# KiCad board panel.kicad_pcb
title: CIS; date: 2023-05-04; rev: 2.2.0
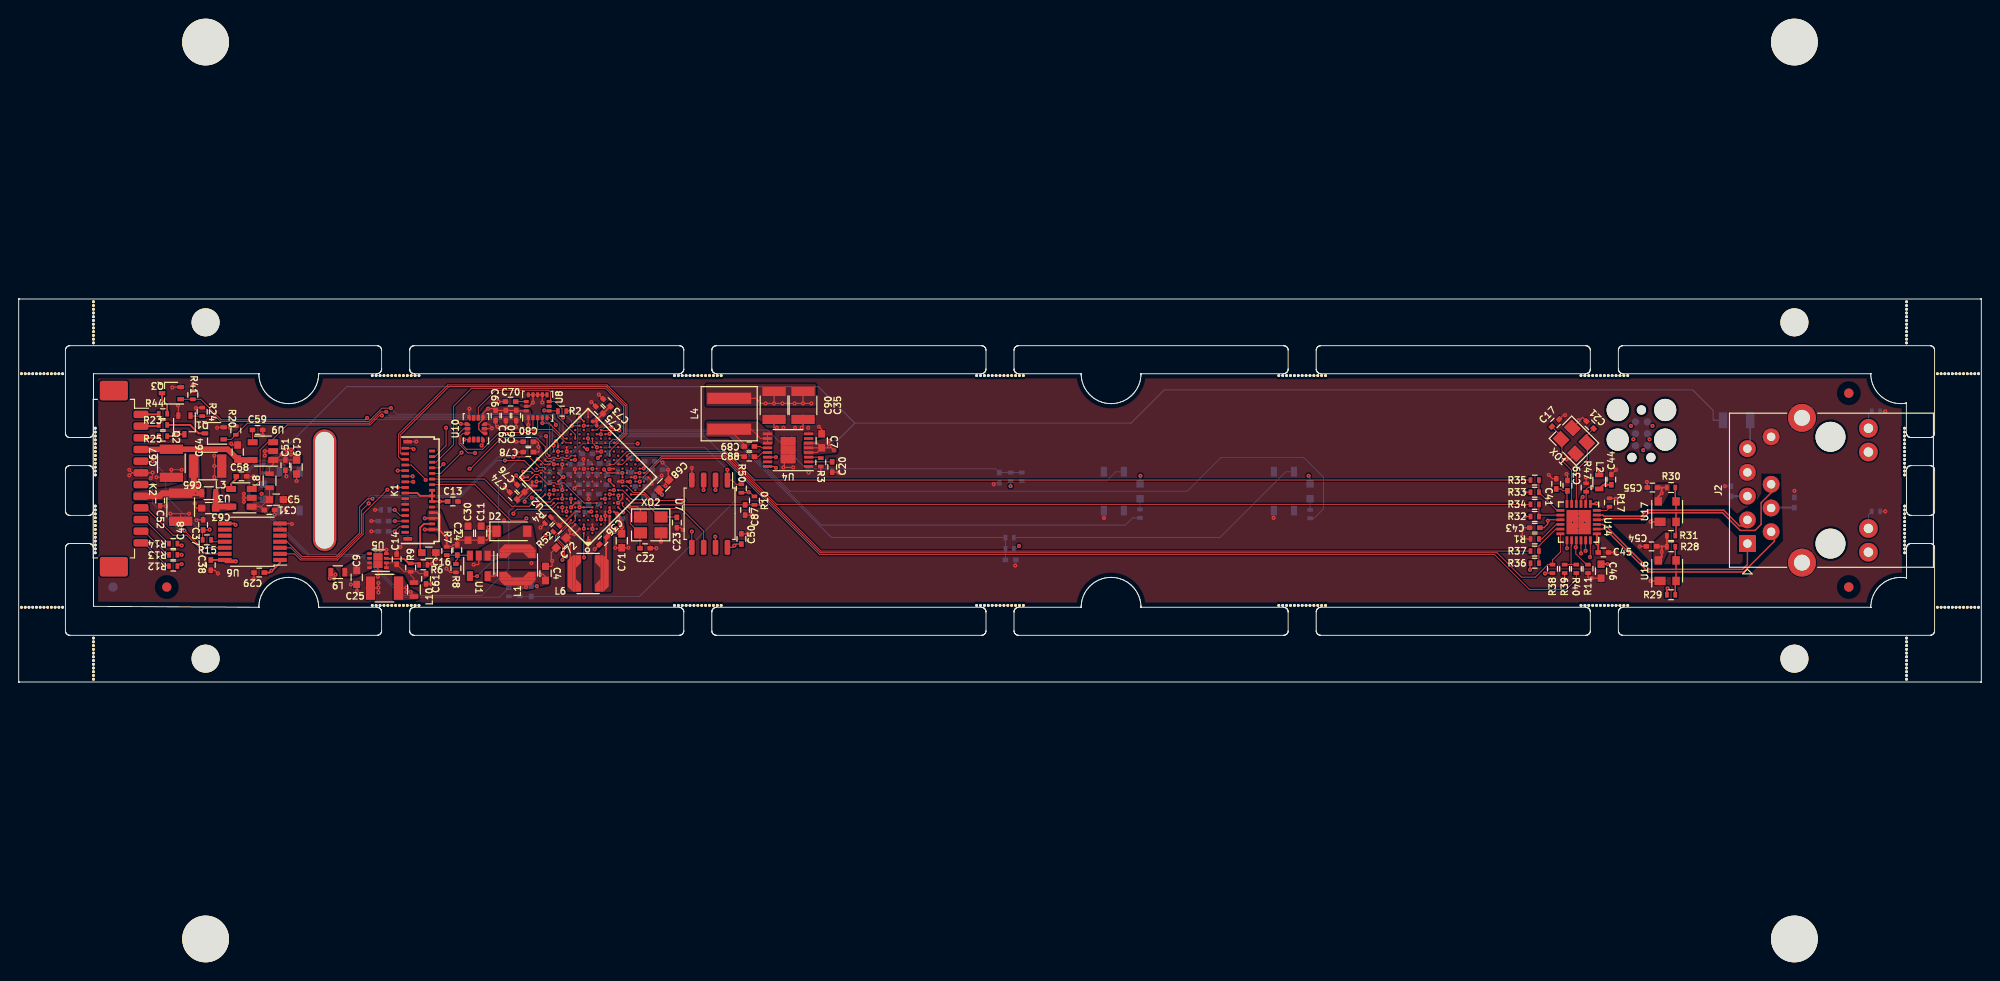
[diagram p0: board, top side]
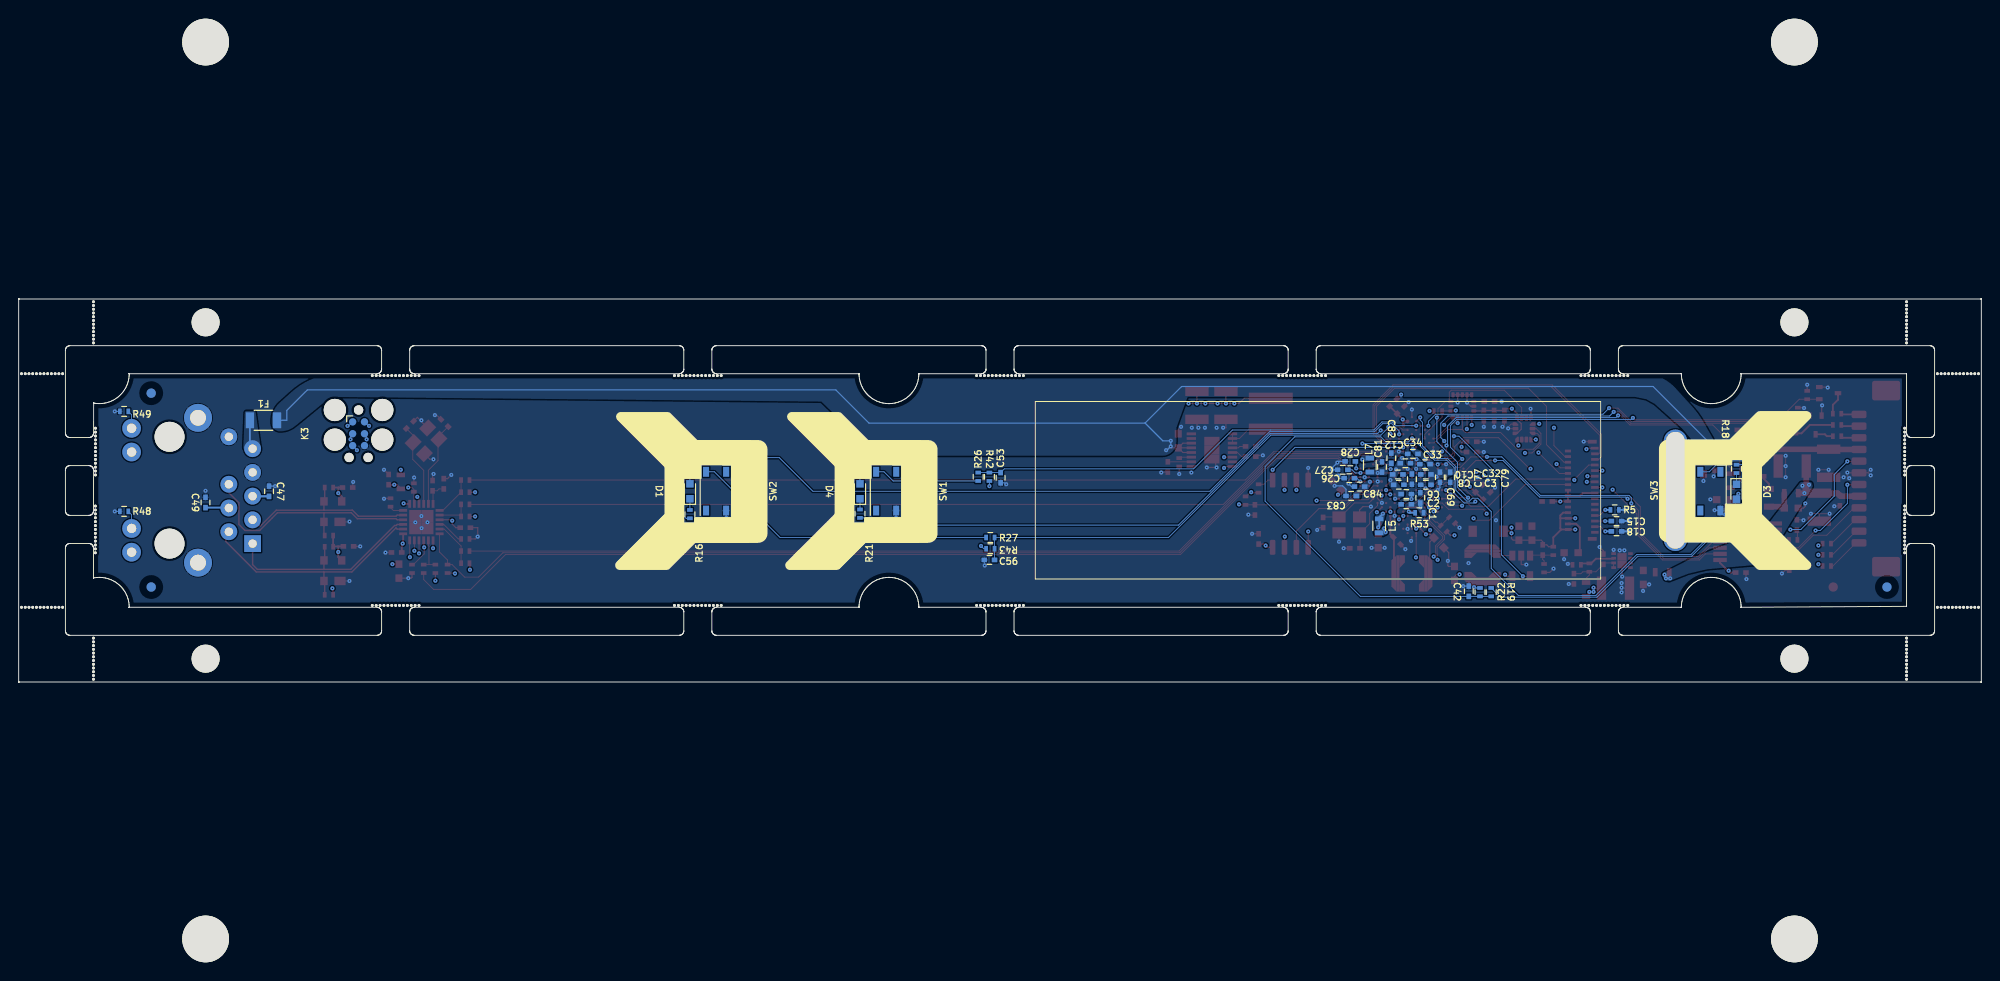
[diagram p1: board, bottom side, seen from below]

Outline 210.03 x 41 mm; copper layers: Top, GND.Cu (plane), POWER.cu (plane), In1.Cu, In2.Cu, Bottom. Coordinates in mm from the lower left corner of the outline.
Stack: Top 0.035mm / dielectric 0.154mm FR4 er 4.5 / GND.Cu 0.035mm / dielectric 0.154mm FR4 er 4.5 / POWER.cu 0.035mm / dielectric 0.154mm FR4 er 4.5 / In1.Cu 0.035mm / dielectric 0.154mm FR4 er 4.5 / In2.Cu 0.035mm / dielectric 0.154mm FR4 er 4.5 / Bottom 0.035mm

## Placement (name value [footprint] x y rotation side)
C1  C_0002  [C_0402]  60.04 19.72 90 bottom
C2  C_0002  [C_0402]  61.54 19.02 0 bottom
C3  C_0002  [C_0402]  59.44 21.12 0 bottom
C4  C_0003  [C_0603]  56.38 11.63 270 top
C5  C_0003  [C_0603]  27.57 19.52 0 top
C6  C_0002  [C_0402]  61.54 20.12 180 bottom
C7  C_0036  [C_0603]  85.94 25.82 270 top
C8  C_0002  [C_0402]  62.34 21.12 180 bottom
C9  C_0003  [C_0603]  36.17 11.2 90 top
C10  C_0002  [C_0402]  62.44 22.22 180 bottom
C11  C_0036  [C_0603]  49.49 15.93 90 top
C12  C_0002  [C_0402]  61.64 23.42 180 bottom
C13  C_0044  [C_0402]  46.46 19.33 0 top
C14  C_0002  [C_0402]  40.45 13.15 90 top
C15  C_0044  [C_0402]  39.04 17.23 180 bottom
C16  C_0036  [C_0603]  43.9 13.85 0 top
C17  C_0043  [C_0402]  164.46 27.73 45 top
C18  C_0044  [C_0402]  39.04 16.13 180 bottom
C19  C_0003  [C_0603]  29.74 23.02 270 top
C20  C_0001  [C_0402]  87.06 23.02 90 top
C21  C_0043  [C_0402]  168.16 27.53 135 top
C22  C_0043  [C_0402]  67.04 14.32 0 top
C23  C_0043  [C_0402]  70.44 17.07 90 top
C24  C_0014  [C_0402]  46.94 14.13 270 top
C25  C_0040  [C_1210]  39.15 10.05 0 top
C26  C_0028  [C_0402]  67.64 21.82 180 bottom
C27  C_0028  [C_0402]  68.34 22.72 180 bottom
C28  C_0028  [C_0402]  67.54 23.62 180 bottom
C29  C_0002  [C_0402]  25.74 11.72 180 top
C30  C_0036  [C_0603]  48.09 15.93 90 top
C31  C_0044  [C_0402]  26.84 18.42 180 top
C32  C_0002  [C_0402]  59.44 22.22 0 bottom
C33  C_0002  [C_0402]  59.54 23.32 0 bottom
C34  C_0002  [C_0402]  60.84 24.42 0 bottom
C35  C_0040  [C_1210]  83.94 29.62 90 top
C36  C_0080  [C_0402]  62.54 15.12 225 top
C37  C_0001  [C_0402]  19.74 16.82 270 top
C38  C_0002  [C_0402]  20.56 12.52 270 top
C39  C_0068  [C_0402]  165.74 21.02 90 top
C41  C_0044  [C_0402]  164.54 21.22 270 top
C42  C_0002  [C_0402]  54.85 9.72 90 bottom
C43  C_0002  [C_0402]  162.24 16.52 180 top
C44  C_0002  [C_0402]  170.44 21.67 90 top
C45  C_0002  [C_0402]  169.59 13.87 0 top
C46  C_0003  [C_0603]  169.34 11.87 270 top
C47  C_0002  [C_0402]  183.24 20.42 90 bottom
C48  C_0040  [C_1210]  17.34 18.72 90 top
C49  C_0002  [C_0402]  190.04 19.22 90 bottom
C50  C_0002  [C_0402]  77.34 15.32 90 top
C51  C_0044  [C_0402]  28.54 23.22 90 top
C52  C_0002  [C_0402]  15.14 19.42 270 top
C53  C_0002  [C_0402]  104.95 21.87 270 bottom
C54  C_0002  [C_0402]  174.73 14.52 180 top
C55  C_0002  [C_0402]  174.83 20.82 180 top
C56  C_0002  [C_0402]  106.15 13.07 0 bottom
C58  C_0001  [C_0402]  23.84 22.02 0 top
C59  C_0001  [C_0402]  25.57 26.99 0 top
C60  C_0001  [C_0402]  53.24 28.52 90 top
C61  C_0001  [C_0402]  43.6 11.05 90 top
C62  C_0002  [C_0402]  52.14 28.52 270 top
C63  C_0036  [C_0603]  20.34 18.62 180 top
C64  C_0036  [C_0603]  23.44 24.62 90 top
C65  C_0040  [C_1210]  20.24 23.12 180 top
C66  C_0063  [C_0402]  51.04 28.52 270 top
C67  C_0040  [C_1210]  16.34 23.42 90 top
C68  C_0003  [C_0603]  69.05 21.1 225 top
C69  C_0044  [C_0402]  56.84 21.92 90 bottom
C70  C_0002  [C_0402]  52.64 30.02 0 top
C71  C_0003  [C_0603]  64.54 15.12 90 top
C72  C_0003  [C_0603]  58.05 14.9 45 top
C73  C_0063  [C_0402]  62.94 29.92 135 top
C74  C_0063  [C_0402]  52.94 19.92 135 top
C75  C_0045  [C_0402]  62.14 29.12 135 top
C76  C_0045  [C_0402]  53.74 20.72 135 top
C77  C_0063  [C_0402]  60.94 21.72 270 bottom
C78  C_0002  [C_0402]  54.54 24.62 180 top
C79  C_0002  [C_0402]  57.94 21.92 270 bottom
C80  C_0063  [C_0402]  54.54 25.72 180 top
C81  C_0044  [C_0402]  64.14 23.02 270 bottom
C82  C_0002  [C_0402]  63.14 23.96 90 bottom
C83  C_0044  [C_0402]  67.44 19.92 180 bottom
C84  C_0002  [C_0402]  66.54 20.92 0 bottom
C87  C_0002  [C_0402]  77.74 18.42 90 top
C88  C_0044  [C_0402]  78.19 24.13 0 top
C89  C_0002  [C_0402]  78.19 25.22 180 top
C90  C_0040  [C_1210]  80.84 29.62 90 top
D1  D_0001  [LED_0603-red]  138.2 20.42 90 bottom
D2  D_0021  [D_SOD-123]  52.78 16.13 0 top
D3  D_0001  [LED_0603-red]  26.2 20.37 270 bottom
D4  D_0001  [LED_0603-red]  120 20.42 90 bottom
F1  F_0002  [F_1206]  183.84 28.02 180 bottom
G1  LOGO  [RESO-NANCE_SSS_LOGO]  182.85 10.37 0 bottom
G2  LOGO  [RESO-NANCE_SSS-2_LOGO]  156.5 26.4 0 bottom
J2  RJ45_Abracon_ARJP11A-MASA-B-A-EMU2  [RJ45_Abracon_ARJP11A-MA_Horizontal]  185 14.82 90 top
K1  K_0073  [OLED256x64-2P1_HOLE_TE_3-2328724-1‎]  42.74 20.53 90 top
K2  K_0072  [Molex_PicoBlade_53261-1271_1x12-1MP_P1.25mm_Horizontal]  10.69 21.77 270 top
K3  K_0100  [Tag-Connect_TC2030-IDC-FP_2x03_P1.27mm_Vertical]  173.66 26.58 270 bottom
L1  L_0011  [L_4018-Coilcraft]  53.38 12.53 90 top
L2  L_0010  [L_0603]  169.14 21.42 270 top
L3  L_0017  [L_0603]  20.34 20.22 0 top
L4  L_0002  [L_5030-Coilcraft]  76.04 28.72 90 top
L5  L_0017  [L_0603]  64.44 16.72 270 bottom
L6  L_0018  [L_4018-Coilcraft]  60.94 11.62 0 top
L7  L_0010  [L_0603]  65.44 23.22 270 bottom
L8  L_0017  [L_0603]  26.85 21.55 90 top
L9  L_0017  [L_0603]  34.15 11.75 180 top
L10  L_0017  [L_0603]  42.3 9.9 90 top
Q1  Q_0002  [SOT_323-SC_70]  20.94 26.62 180 top
Q2  Q_0002  [SOT_323-SC_70]  17.74 27.52 270 top
Q3  Q_0002  [SOT_323-SC_70]  16.34 30.92 180 top
R1  R_0020  [R_0402]  162.24 15.32 180 top
R2  R_0064  [R_0402]  58.15 29 0 top
R3  R_0030  [R_0402]  85.84 23.52 270 top
R4  R_0020  [R_0402]  56.64 17.32 225 top
R5  R_0028  [R_0402]  39.24 18.43 0 bottom
R6  R_0121  [R_0402]  43.3 12.55 0 top
R7  R_0173  [R_0402]  45.81 14.03 270 top
R8  R_0174  [R_0402]  46.79 12.18 270 top
R9  R_0102  [R_0402]  41.95 12.25 90 top
R10  R_0020  [R_0402]  78.74 19.42 90 top
R11  R_0020  [R_0402]  167.94 12.12 90 top
R12  R_0001  [R_0402]  16.54 12.42 180 top
R13  R_0001  [R_0402]  16.54 13.62 180 top
R14  R_0001  [R_0402]  16.54 14.82 180 top
R15  R_0134  [R_0402]  20.14 15.22 0 top
R16  R_0053  [R_0402]  138.2 17.97 270 bottom
R17  R_0133  [R_0402]  170.24 19.22 270 top
R18  R_0053  [R_0402]  26.2 22.82 90 bottom
R19  R_0005  [R_0402]  52.45 9.62 90 bottom
R20  R_0064  [R_0402]  23.24 26.92 270 top
R21  R_0053  [R_0402]  120 18.02 270 bottom
R22  R_0020  [R_0402]  53.65 9.62 270 bottom
R23  R_0170  [R_0402]  15.44 27.52 0 top
R24  R_0064  [R_0402]  19.64 28.92 270 top
R25  R_0171  [R_0402]  15.44 26.32 0 top
R26  R_0005  [R_0402]  107.35 21.97 270 bottom
R27  R_0005  [R_0402]  106.05 15.47 0 bottom
R28  R_0175  [R_0402]  176.83 14.48 0 top
R29  R_0175  [R_0402]  176.83 9.34 0 top
R30  R_0175  [R_0402]  176.83 20.82 0 top
R31  R_0175  [R_0402]  176.83 15.68 0 top
R32  R_0020  [R_0402]  162.24 17.72 0 top
R33  R_0020  [R_0402]  162.24 20.32 0 top
R34  R_0175  [R_0402]  162.24 19.02 0 top
R35  R_0175  [R_0402]  162.24 21.62 0 top
R36  R_0020  [R_0402]  162.24 12.72 0 top
R37  R_0175  [R_0402]  162.24 14.02 0 top
R38  R_0118  [R_0402]  164.14 12.12 90 top
R39  R_0020  [R_0402]  165.44 12.12 90 top
R40  R_0175  [R_0402]  166.69 12.12 270 top
R41  R_0064  [R_0402]  18.64 30.72 270 top
R42  R_0020  [R_0402]  106.15 21.97 90 bottom
R43  R_0020  [R_0402]  106.05 14.27 180 bottom
R44  R_0172  [R_0402]  15.44 28.72 0 top
R47  R_0020  [R_0402]  167.74 20.82 270 top
R48  R_0053  [R_0402]  198.75 18.27 0 bottom
R49  R_0053  [R_0402]  198.75 28.97 0 bottom
R50  R_0020  [R_0402]  77.34 20.72 270 top
R52  NC  [R_0402]  57.54 16.42 45 top
R53  R_0020  [R_0402]  60.14 18.12 0 bottom
REF1  CircleWhite1mm  [REF_1mm_Top]  195.85 10.17 90 top
REF2  CircleWhite1mm  [REF_1mm_Top]  195.85 30.92 90 top
REF3  CircleWhite1mm  [REF_1mm_Top]  15.85 10.17 90 top
REF11  CircleWhite1mm  [REF_1mm]  195.85 30.92 180 bottom
REF12  CircleWhite1mm  [REF_1mm]  195.85 10.17 180 bottom
REF13  CircleWhite1mm  [REF_1mm]  10.1 10.17 180 bottom
REF**  -  [NPTH]  107.1 8.2 0 top
REF**#2  -  [NPTH]  8 0.3 0 top
REF**#3  -  [NPTH]  105.43 32.8 0 top
REF**#4  -  [NPTH]  8 39.9 0 top
REF**#5  -  [NPTH]  8.2 24.25 0 top
REF**#6  -  [NPTH]  41.17 8.2 0 top
REF**#7  -  [NPTH]  201.81 24.67 0 top
REF**#8  -  [NPTH]  135.68 8.2 0 top
REF**#9  -  [NPTH]  207.73 33 0 top
REF**#10  -  [NPTH]  73.09 8.2 0 top
REF**#11  -  [NPTH]  1.1 33 0 top
REF**#12  -  [NPTH]  201.82 15.08 0 top
REF**#13  -  [NPTH]  208.53 8 0 top
REF**#14  -  [NPTH]  38.67 8.2 0 top
REF**#15  -  [NPTH#2]  20 -27.5 0 top
REF**#16  -  [NPTH]  102.93 8.2 0 top
REF**#17  -  [NPTH]  107.51 32.8 0 top
REF**#18  -  [NPTH]  74.76 32.8 0 top
REF**#19  -  [NPTH]  201.81 25.5 0 top
REF**#20  -  [NPTH]  201.82 16.33 0 top
REF**#21  -  [NPTH]  8.2 25.08 0 top
REF**#22  -  [NPTH]  71.01 8.2 0 top
REF**#23  -  [NPTH]  72.68 32.8 0 top
REF**#24  -  [NPTH]  37.84 8.2 0 top
REF**#25  -  [NPTH]  202.03 39.1 0 top
REF**#26  -  [NPTH#2]  190.03 68.5 0 top
REF**#27  -  [NPTH]  209.33 33 0 top
REF**#28  -  [NPTH]  8.2 27.17 0 top
REF**#29  -  [NPTH]  170.94 8.2 0 top
REF**#30  -  [NPTH]  42.01 32.8 0 top
REF**#31  -  [NPTH]  168.86 32.8 0 top
REF**#32  -  [NPTH]  135.68 32.8 0 top
REF**#33  -  [NPTH]  40.34 8.2 0 top
REF**#34  -  [NPTH]  201.82 17.58 0 top
REF**#35  -  [NPTH]  4.3 33 0 top
REF**#36  -  [NPTH]  201.82 14.25 0 top
REF**#37  -  [NPTH]  202.03 4.7 0 top
REF**#38  -  [NPTH]  0.7 33 0 top
REF**#39  -  [NPTH]  102.51 32.8 0 top
REF**#40  -  [NPTH]  2.7 33 0 top
REF**#41  -  [NPTH]  136.93 8.2 0 top
REF**#42  -  [NPTH]  202.03 39.5 0 top
REF**#43  -  [NPTH]  207.33 33 0 top
REF**#44  -  [NPTH]  70.17 32.8 0 top
REF**#45  -  [NPTH]  105.01 32.8 0 top
REF**#46  -  [NPTH#2]  20 68.5 0 top
REF**#47  -  [NPTH]  105.85 8.2 0 top
REF**#48  -  [NPTH]  201.81 25.08 0 top
REF**#49  -  [NPTH]  8.2 14.67 0 top
REF**#50  -  [NPTH]  106.26 32.8 0 top
REF**#51  -  [NPTH]  42.01 8.2 0 top
REF**#52  -  [NPTH]  2.3 33 0 top
REF**#53  -  [NPTH]  137.77 8.2 0 top
REF**#54  -  [NPTH]  136.52 32.8 0 top
REF**#55  -  [NPTH]  8.2 18 0 top
REF**#56  -  [NPTH]  103.35 8.2 0 top
REF**#57  -  [NPTH]  8.2 16.75 0 top
REF**#58  -  [NPTH]  41.59 8.2 0 top
REF**#59  -  [NPTH]  3.5 33 0 top
REF**#60  -  [NPTH]  42.42 32.8 0 top
REF**#61  -  [NPTH]  8 3.9 0 top
REF**#62  -  [NPTH]  8 37.9 0 top
REF**#63  -  [NPTH]  205.73 33 0 top
REF**#64  -  [NPTH]  107.51 8.2 0 top
REF**#65  -  [NPTH]  201.81 23.42 0 top
REF**#66  -  [NPTH]  41.59 32.8 0 top
REF**#67  -  [NPTH]  135.27 8.2 0 top
REF**#68  -  [NPTH]  201.81 23.83 0 top
REF**#69  -  [NPTH]  201.82 14.67 0 top
REF**#70  -  [NPTH]  137.35 32.8 0 top
REF**#71  -  [NPTH#2]  190.03 -27.5 0 top
REF**#72  -  [NPTH]  168.86 8.2 0 top
REF**#73  -  [NPTH]  8 1.5 0 top
REF**#74  -  [NPTH]  170.11 32.8 0 top
REF**#75  -  [NPTH]  20 38.5 0 top
REF**#76  -  [NPTH]  42.42 8.2 0 top
REF**#77  -  [NPTH]  137.77 32.8 0 top
REF**#78  -  [NPTH]  206.53 33 0 top
REF**#79  -  [NPTH]  20 2.5 0 top
REF**#80  -  [NPTH]  4.3 8 0 top
REF**#81  -  [NPTH]  8.2 15.08 0 top
REF**#82  -  [NPTH]  202.03 38.7 0 top
REF**#83  -  [NPTH]  8.2 17.17 0 top
REF**#84  -  [NPTH]  205.33 33 0 top
REF**#85  -  [Fiducial]  20 2.5 0 top
REF**#86  -  [NPTH]  39.92 8.2 0 top
REF**#87  -  [NPTH]  39.92 32.8 0 top
REF**#88  -  [NPTH]  202.03 2.3 0 top
REF**#89  -  [NPTH]  8.2 23 0 top
REF**#90  -  [NPTH]  201.82 22.58 0 top
REF**#91  -  [NPTH]  3.9 8 0 top
REF**#92  -  [NPTH]  137.35 8.2 0 top
REF**#93  -  [NPTH]  8.2 23.42 0 top
REF**#94  -  [NPTH]  202.03 3.5 0 top
REF**#95  -  [NPTH]  8.2 15.92 0 top
REF**#96  -  [NPTH]  201.82 22.16 0 top
REF**#97  -  [NPTH]  202.03 1.1 0 top
REF**#98  -  [NPTH]  8 40.3 0 top
REF**#99  -  [NPTH]  209.73 33 0 top
REF**#100  -  [NPTH]  0.3 33 0 top
REF**#101  -  [NPTH]  74.34 32.8 0 top
REF**#102  -  [NPTH]  208.13 33 0 top
REF**#103  -  [NPTH]  1.1 8 0 top
REF**#104  -  [NPTH]  71.84 8.2 0 top
REF**#105  -  [NPTH]  168.44 32.8 0 top
REF**#106  -  [NPTH]  8 3.5 0 top
REF**#107  -  [NPTH]  39.09 32.8 0 top
REF**#108  -  [NPTH]  1.9 33 0 top
REF**#109  -  [NPTH]  167.61 8.2 0 top
REF**#110  -  [NPTH]  73.93 8.2 0 top
REF**#111  -  [NPTH]  74.76 8.2 0 top
REF**#112  -  [NPTH]  8 39.1 0 top
REF**#113  -  [NPTH]  8 36.7 0 top
REF**#114  -  [NPTH]  171.77 32.8 0 top
REF**#115  -  [NPTH]  8 4.7 0 top
REF**#116  -  [NPTH]  136.1 8.2 0 top
REF**#117  -  [NPTH]  208.93 33 0 top
REF**#118  -  [NPTH]  134.85 8.2 0 top
REF**#119  -  [NPTH]  169.69 32.8 0 top
REF**#120  -  [NPTH]  8 3.1 0 top
REF**#121  -  [NPTH]  2.3 8 0 top
REF**#122  -  [NPTH]  201.81 27.17 0 top
REF**#123  -  [NPTH]  201.82 18 0 top
REF**#124  -  [NPTH]  170.11 8.2 0 top
REF**#125  -  [NPTH]  202.03 39.9 0 top
REF**#126  -  [NPTH]  208.93 8 0 top
REF**#127  -  [NPTH]  3.1 8 0 top
REF**#128  -  [NPTH]  136.93 32.8 0 top
REF**#129  -  [NPTH]  72.26 8.2 0 top
REF**#130  -  [NPTH]  8 2.3 0 top
REF**#131  -  [NPTH]  139.85 8.2 0 top
REF**#132  -  [NPTH]  170.52 8.2 0 top
REF**#133  -  [NPTH]  75.18 8.2 0 top
REF**#134  -  [NPTH]  42.84 8.2 0 top
REF**#135  -  [NPTH]  73.51 32.8 0 top
REF**#136  -  [NPTH]  202.03 2.7 0 top
REF**#137  -  [NPTH]  139.85 32.8 0 top
REF**#138  -  [NPTH]  0.3 8 0 top
REF**#139  -  [NPTH]  202.03 36.7 0 top
REF**#140  -  [NPTH]  202.03 38.3 0 top
REF**#141  -  [NPTH]  102.51 8.2 0 top
REF**#142  -  [NPTH]  171.36 8.2 0 top
REF**#143  -  [NPTH]  71.84 32.8 0 top
REF**#144  -  [NPTH]  8 2.7 0 top
REF**#145  -  [NPTH]  70.17 8.2 0 top
REF**#146  -  [NPTH]  105.01 8.2 0 top
REF**#147  -  [NPTH]  139.02 8.2 0 top
REF**#148  -  [NPTH]  202.03 3.1 0 top
REF**#149  -  [NPTH]  4.7 33 0 top
REF**#150  -  [NPTH]  206.93 33 0 top
REF**#151  -  [NPTH]  202.03 0.7 0 top
REF**#152  -  [NPTH]  40.75 32.8 0 top
REF**#153  -  [NPTH]  168.02 32.8 0 top
REF**#154  -  [NPTH]  73.09 32.8 0 top
REF**#155  -  [NPTH]  168.44 8.2 0 top
REF**#156  -  [NPTH]  201.82 15.92 0 top
REF**#157  -  [NPTH]  0.7 8 0 top
REF**#158  -  [NPTH]  172.19 32.8 0 top
REF**#159  -  [NPTH]  105.43 8.2 0 top
REF**#160  -  [NPTH]  202.03 37.1 0 top
REF**#161  -  [NPTH]  136.1 32.8 0 top
REF**#162  -  [NPTH]  39.09 8.2 0 top
REF**#163  -  [NPTH]  102.93 32.8 0 top
REF**#164  -  [NPTH]  103.35 32.8 0 top
REF**#165  -  [NPTH]  39.5 32.8 0 top
REF**#166  -  [NPTH]  2.7 8 0 top
REF**#167  -  [NPTH]  167.19 8.2 0 top
REF**#168  -  [NPTH]  8.2 17.58 0 top
REF**#169  -  [NPTH]  172.19 8.2 0 top
REF**#170  -  [NPTH]  138.6 32.8 0 top
REF**#171  -  [NPTH]  73.51 8.2 0 top
REF**#172  -  [NPTH]  206.53 8 0 top
REF**#173  -  [NPTH]  138.19 32.8 0 top
REF**#174  -  [NPTH]  8.2 18.42 0 top
REF**#175  -  [NPTH]  201.82 18.83 0 top
REF**#176  -  [NPTH]  1.9 8 0 top
REF**#177  -  [NPTH]  169.69 8.2 0 top
REF**#178  -  [NPTH]  171.77 8.2 0 top
REF**#179  -  [NPTH]  8.2 22.58 0 top
REF**#180  -  [NPTH]  138.6 8.2 0 top
REF**#181  -  [NPTH]  103.76 32.8 0 top
REF**#182  -  [NPTH]  206.13 33 0 top
REF**#183  -  [NPTH]  202.03 40.7 0 top
REF**#184  -  [NPTH]  104.18 32.8 0 top
REF**#185  -  [NPTH]  39.5 8.2 0 top
REF**#186  -  [NPTH]  168.02 8.2 0 top
REF**#187  -  [NPTH]  138.19 8.2 0 top
REF**#188  -  [NPTH]  1.5 8 0 top
REF**#189  -  [NPTH]  202.03 1.5 0 top
REF**#190  -  [NPTH]  205.33 8 0 top
REF**#191  -  [NPTH]  72.26 32.8 0 top
REF**#192  -  [NPTH]  1.5 33 0 top
REF**#193  -  [NPTH]  8 37.5 0 top
REF**#194  -  [NPTH]  201.82 17.17 0 top
REF**#195  -  [NPTH]  167.61 32.8 0 top
REF**#196  -  [NPTH]  8.2 23.83 0 top
REF**#197  -  [NPTH]  202.03 1.9 0 top
REF**#198  -  [NPTH]  42.84 32.8 0 top
REF**#199  -  [NPTH]  40.75 8.2 0 top
REF**#200  -  [NPTH]  107.1 32.8 0 top
REF**#201  -  [NPTH]  71.01 32.8 0 top
REF**#202  -  [NPTH]  70.59 32.8 0 top
REF**#203  -  [NPTH]  8.2 14.25 0 top
REF**#204  -  [NPTH]  167.19 32.8 0 top
REF**#205  -  [NPTH]  206.93 8 0 top
REF**#206  -  [NPTH]  38.67 32.8 0 top
REF**#207  -  [NPTH]  41.17 32.8 0 top
REF**#208  -  [NPTH]  208.53 33 0 top
REF**#209  -  [NPTH]  104.6 32.8 0 top
REF**#210  -  [NPTH]  202.03 0.3 0 top
REF**#211  -  [NPTH]  4.7 8 0 top
REF**#212  -  [NPTH]  190.03 38.5 0 top
REF**#213  -  [NPTH]  8.2 13.83 0 top
REF**#214  -  [NPTH]  71.43 32.8 0 top
REF**#215  -  [NPTH]  8.2 26.33 0 top
REF**#216  -  [NPTH]  106.26 8.2 0 top
REF**#217  -  [NPTH]  201.82 18.42 0 top
REF**#218  -  [NPTH]  202.03 4.3 0 top
REF**#219  -  [NPTH]  104.6 8.2 0 top
REF**#220  -  [NPTH]  201.81 26.75 0 top
REF**#221  -  [NPTH]  170.94 32.8 0 top
REF**#222  -  [NPTH]  70.59 8.2 0 top
REF**#223  -  [NPTH]  201.82 13.83 0 top
REF**#224  -  [NPTH]  73.93 32.8 0 top
REF**#225  -  [NPTH]  139.44 32.8 0 top
REF**#226  -  [NPTH]  103.76 8.2 0 top
REF**#227  -  [NPTH]  8 0.7 0 top
REF**#228  -  [NPTH]  8 1.1 0 top
REF**#229  -  [NPTH]  8.2 25.92 0 top
REF**#230  -  [NPTH]  72.68 8.2 0 top
REF**#231  -  [NPTH]  8 4.3 0 top
REF**#232  -  [NPTH]  8 40.7 0 top
REF**#233  -  [NPTH]  201.82 15.5 0 top
REF**#234  -  [NPTH]  201.82 23 0 top
REF**#235  -  [NPTH]  8 38.3 0 top
REF**#236  -  [NPTH]  106.68 32.8 0 top
REF**#237  -  [NPTH]  8.2 18.83 0 top
REF**#238  -  [NPTH]  38.25 32.8 0 top
REF**#239  -  [NPTH]  40.34 32.8 0 top
REF**#240  -  [NPTH]  8.2 16.33 0 top
REF**#241  -  [NPTH]  8.2 24.67 0 top
REF**#242  -  [NPTH]  3.9 33 0 top
REF**#243  -  [NPTH]  201.81 26.33 0 top
REF**#244  -  [NPTH]  169.27 8.2 0 top
REF**#245  -  [NPTH]  8.2 15.5 0 top
REF**#246  -  [NPTH]  208.13 8 0 top
REF**#247  -  [NPTH]  170.52 32.8 0 top
REF**#248  -  [NPTH]  8.2 22.17 0 top
REF**#249  -  [NPTH]  8.2 25.5 0 top
REF**#250  -  [NPTH]  202.03 37.9 0 top
REF**#251  -  [NPTH]  105.85 32.8 0 top
REF**#252  -  [NPTH]  8 37.1 0 top
REF**#253  -  [NPTH]  8 38.7 0 top
REF**#254  -  [NPTH]  8 36.3 0 top
REF**#255  -  [NPTH]  136.52 8.2 0 top
REF**#256  -  [NPTH]  38.25 8.2 0 top
REF**#257  -  [NPTH]  207.73 8 0 top
REF**#258  -  [Fiducial]  190.03 38.5 0 top
REF**#259  -  [NPTH]  3.1 33 0 top
REF**#260  -  [NPTH]  190.03 2.5 0 top
REF**#261  -  [NPTH]  202.03 36.3 0 top
REF**#262  -  [NPTH]  135.27 32.8 0 top
REF**#263  -  [NPTH]  75.18 32.8 0 top
REF**#264  -  [NPTH]  209.33 8 0 top
REF**#265  -  [NPTH]  8.2 26.75 0 top
REF**#266  -  [NPTH]  171.36 32.8 0 top
REF**#267  -  [NPTH]  3.5 8 0 top
REF**#268  -  [NPTH]  201.81 25.92 0 top
REF**#269  -  [NPTH]  206.13 8 0 top
REF**#270  -  [NPTH]  37.84 32.8 0 top
REF**#271  -  [NPTH]  201.82 16.75 0 top
REF**#272  -  [NPTH]  209.73 8 0 top
REF**#273  -  [NPTH]  106.68 8.2 0 top
REF**#274  -  [NPTH]  71.43 8.2 0 top
REF**#275  -  [NPTH]  8 1.9 0 top
REF**#276  -  [NPTH]  74.34 8.2 0 top
REF**#277  -  [Fiducial]  190.03 2.5 0 top
REF**#278  -  [NPTH]  104.18 8.2 0 top
REF**#279  -  [Fiducial]  20 38.5 0 top
REF**#280  -  [NPTH]  207.33 8 0 top
REF**#281  -  [NPTH]  139.44 8.2 0 top
REF**#282  -  [NPTH]  169.27 32.8 0 top
REF**#283  -  [NPTH]  201.81 24.25 0 top
REF**#284  -  [NPTH]  8 39.5 0 top
REF**#285  -  [NPTH]  134.85 32.8 0 top
REF**#286  -  [NPTH]  205.73 8 0 top
REF**#287  -  [NPTH]  139.02 32.8 0 top
REF**#288  -  [NPTH]  202.03 40.3 0 top
REF**#289  -  [NPTH]  202.03 37.5 0 top
REF**#290  -  [NPTH]  202.03 3.9 0 top
REF**#291  -  [Fiducial]  20 2.5 0 bottom
REF**#292  -  [Fiducial]  190.03 38.5 0 bottom
REF**#293  -  [Fiducial]  20 38.5 0 bottom
REF**#294  -  [Fiducial]  190.03 2.5 0 bottom
SW1  SW_0003  [PTS810]  117.2 20.43 270 bottom
SW2  SW_0003  [PTS810]  135.4 20.43 270 bottom
SW3  SW_0003  [PTS810]  29 20.43 270 bottom
U1  U_0076  [SOT_23-5]  49.24 12.43 270 top
U2  U_0131  [UFBGA_176]  60.94 21.92 135 top
U3  U_0144  [SOT_23-5]  23.84 19.72 180 top
U4  U_0134  [MSOP_16-1EP_3x4_P0.5]  82.34 24.82 180 top
U5  U_0081  [DFN-8-1EP_2x2_P0.5]  38.45 13 180 top
U6  U_0097  [TSSOP_14_4.4x5_P0.65]  25.01 15.02 180 top
U7  U_0138  [SOP-8_5.28x5.23mm_P1.27mm]  73.94 18.02 270 top
U8  U_0133  [LGA-16_3x3mm_P0.5mm_LayoutBorder3x5y]  55.54 29.52 90 top
U9  U_0144  [SOT_23-5]  26.14 24.72 180 top
U10  U_0139  [LGA-14_3x2.5mm_P0.5mm_LayoutBorder3x4y]  48.94 27.12 90 top
U14  U_0101  [QFN-24-1EP_4x4mm_Pitch0.5mm]  166.94 17.12 270 top
U16  U_0049  [SOT_143]  176.41 11.92 90 top
U17  U_0049  [SOT_143]  176.41 18.24 90 top
XO1  XO_0004  [7M]  166.44 25.82 315 top
XO2  XO_0004  [7M]  67.64 16.82 0 top
